# Altium PCB MIRA050CSP.PcbDoc
Units mm, origin at the board's own origin, x right, y up, seen from the top; angles counter-clockwise.
Board outline 38 x 38 mm, 4 copper layers (Top Layer, Layer 2, Layer 3, Bottom Layer), stack 1.186 mm thick; 54 components, 32 nets, 163 pads, 105 vias.
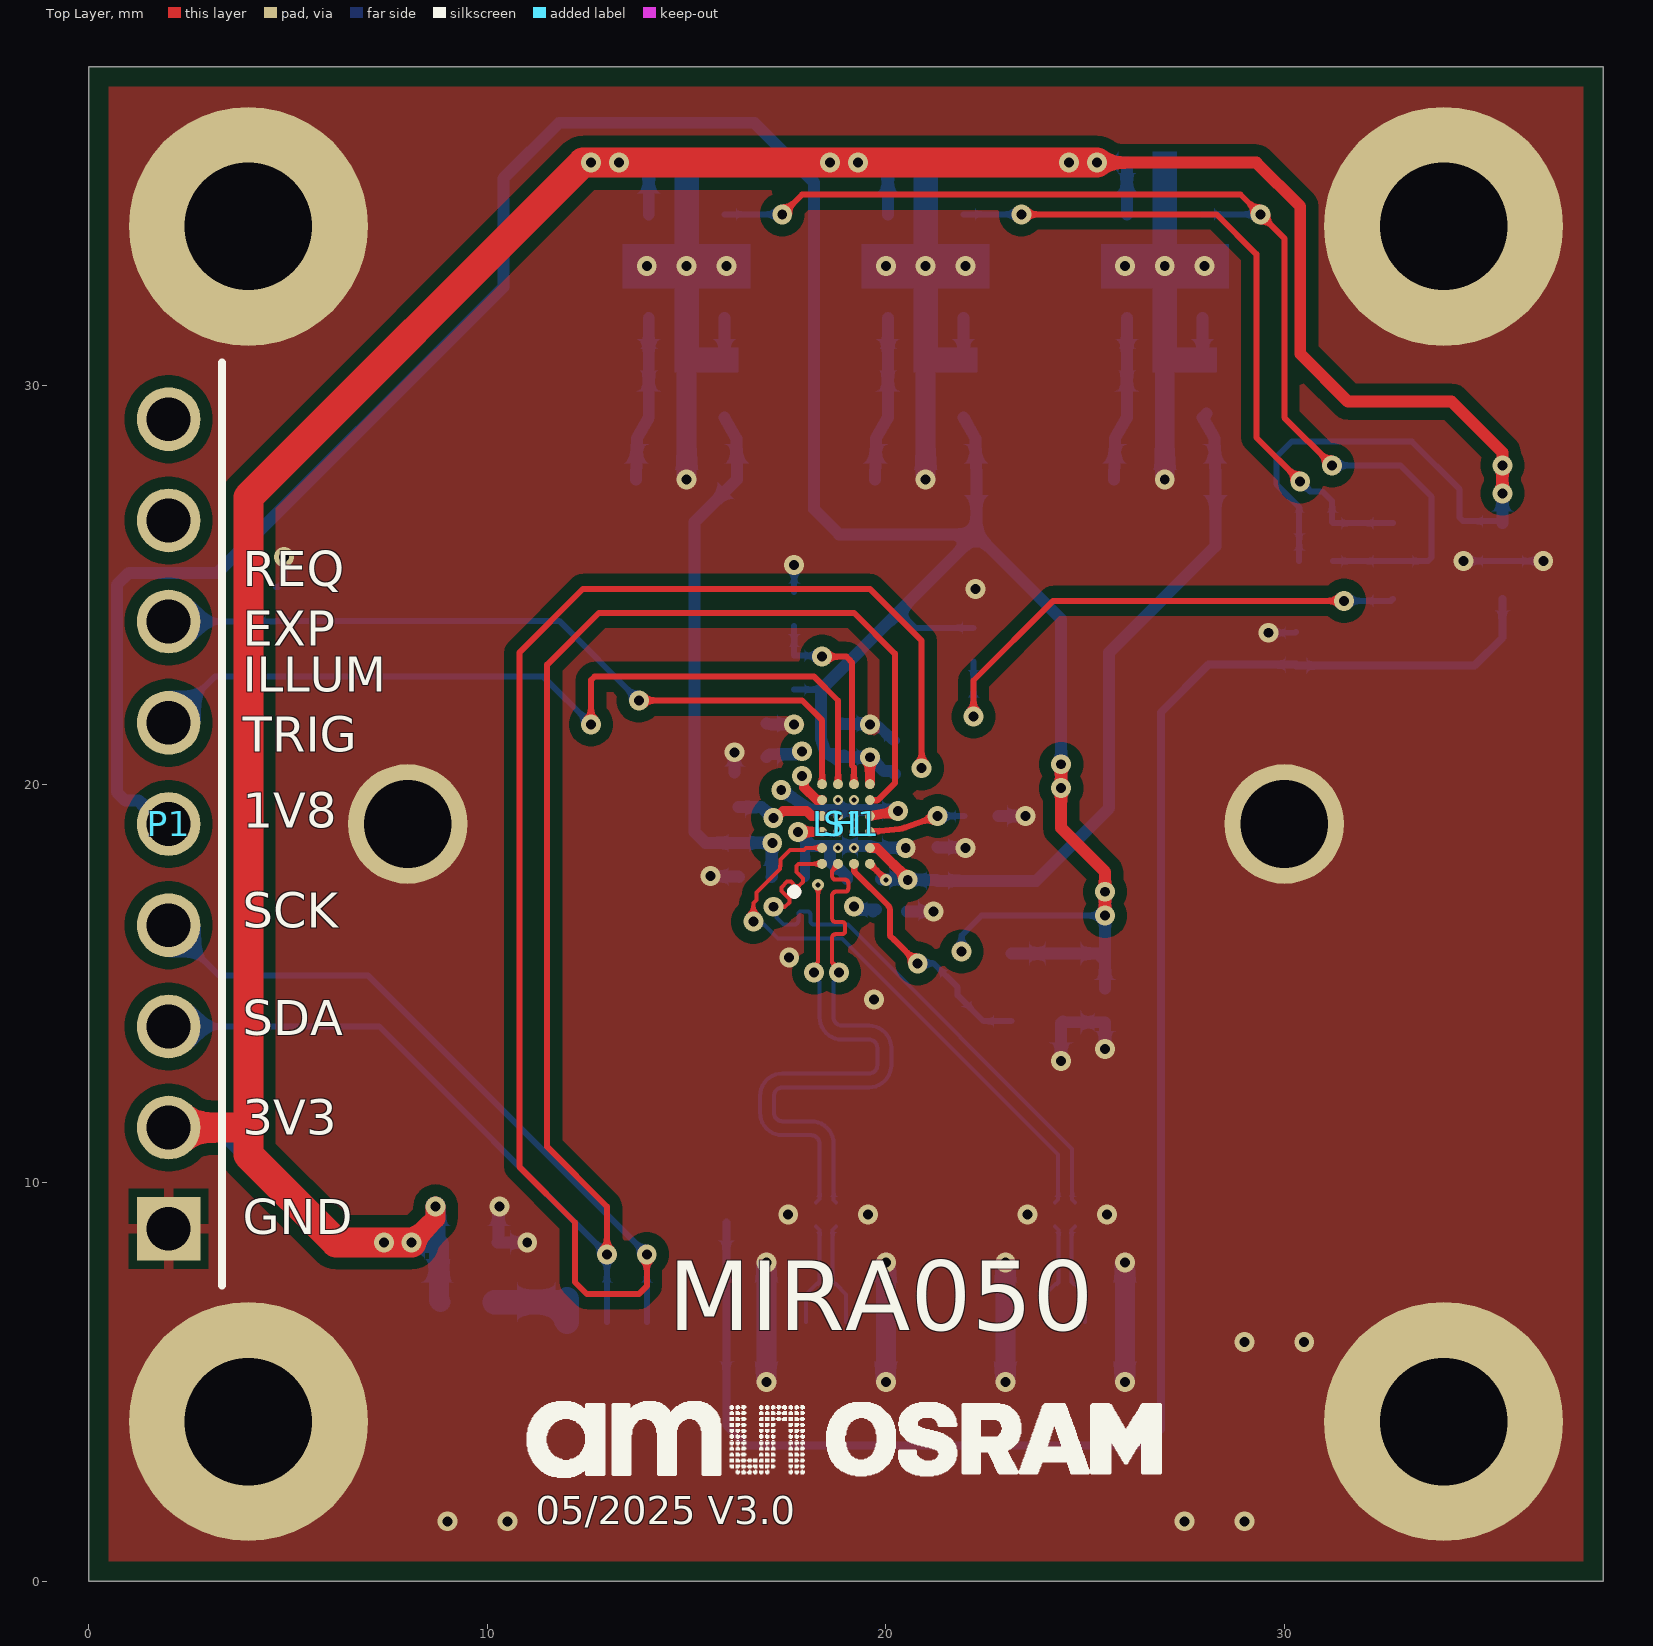
[diagram p0: Top Layer view]
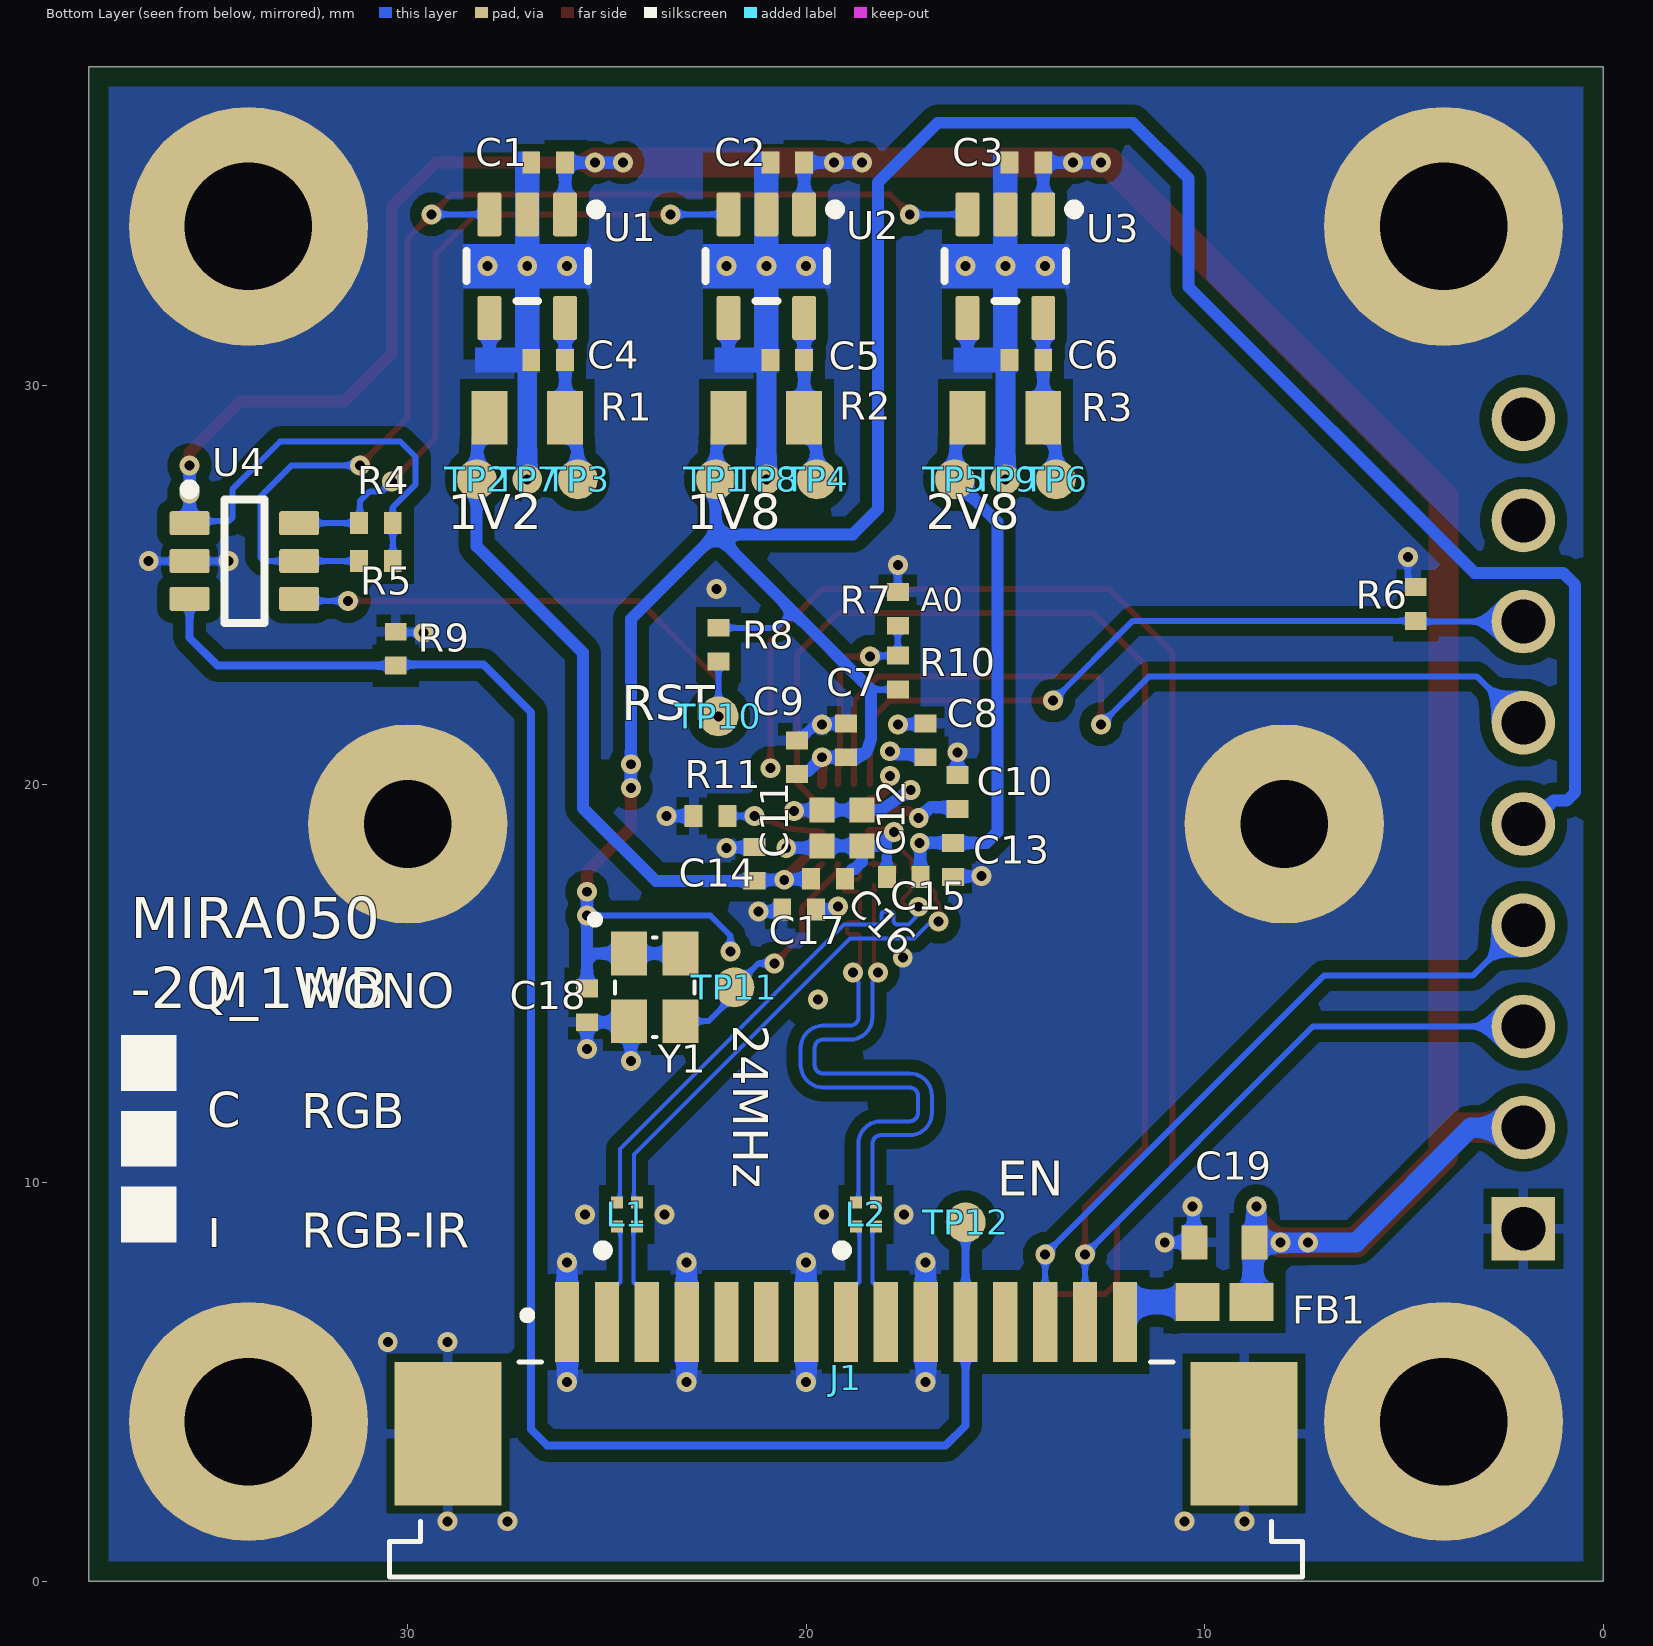
[diagram p1: Bottom Layer view, seen from below]
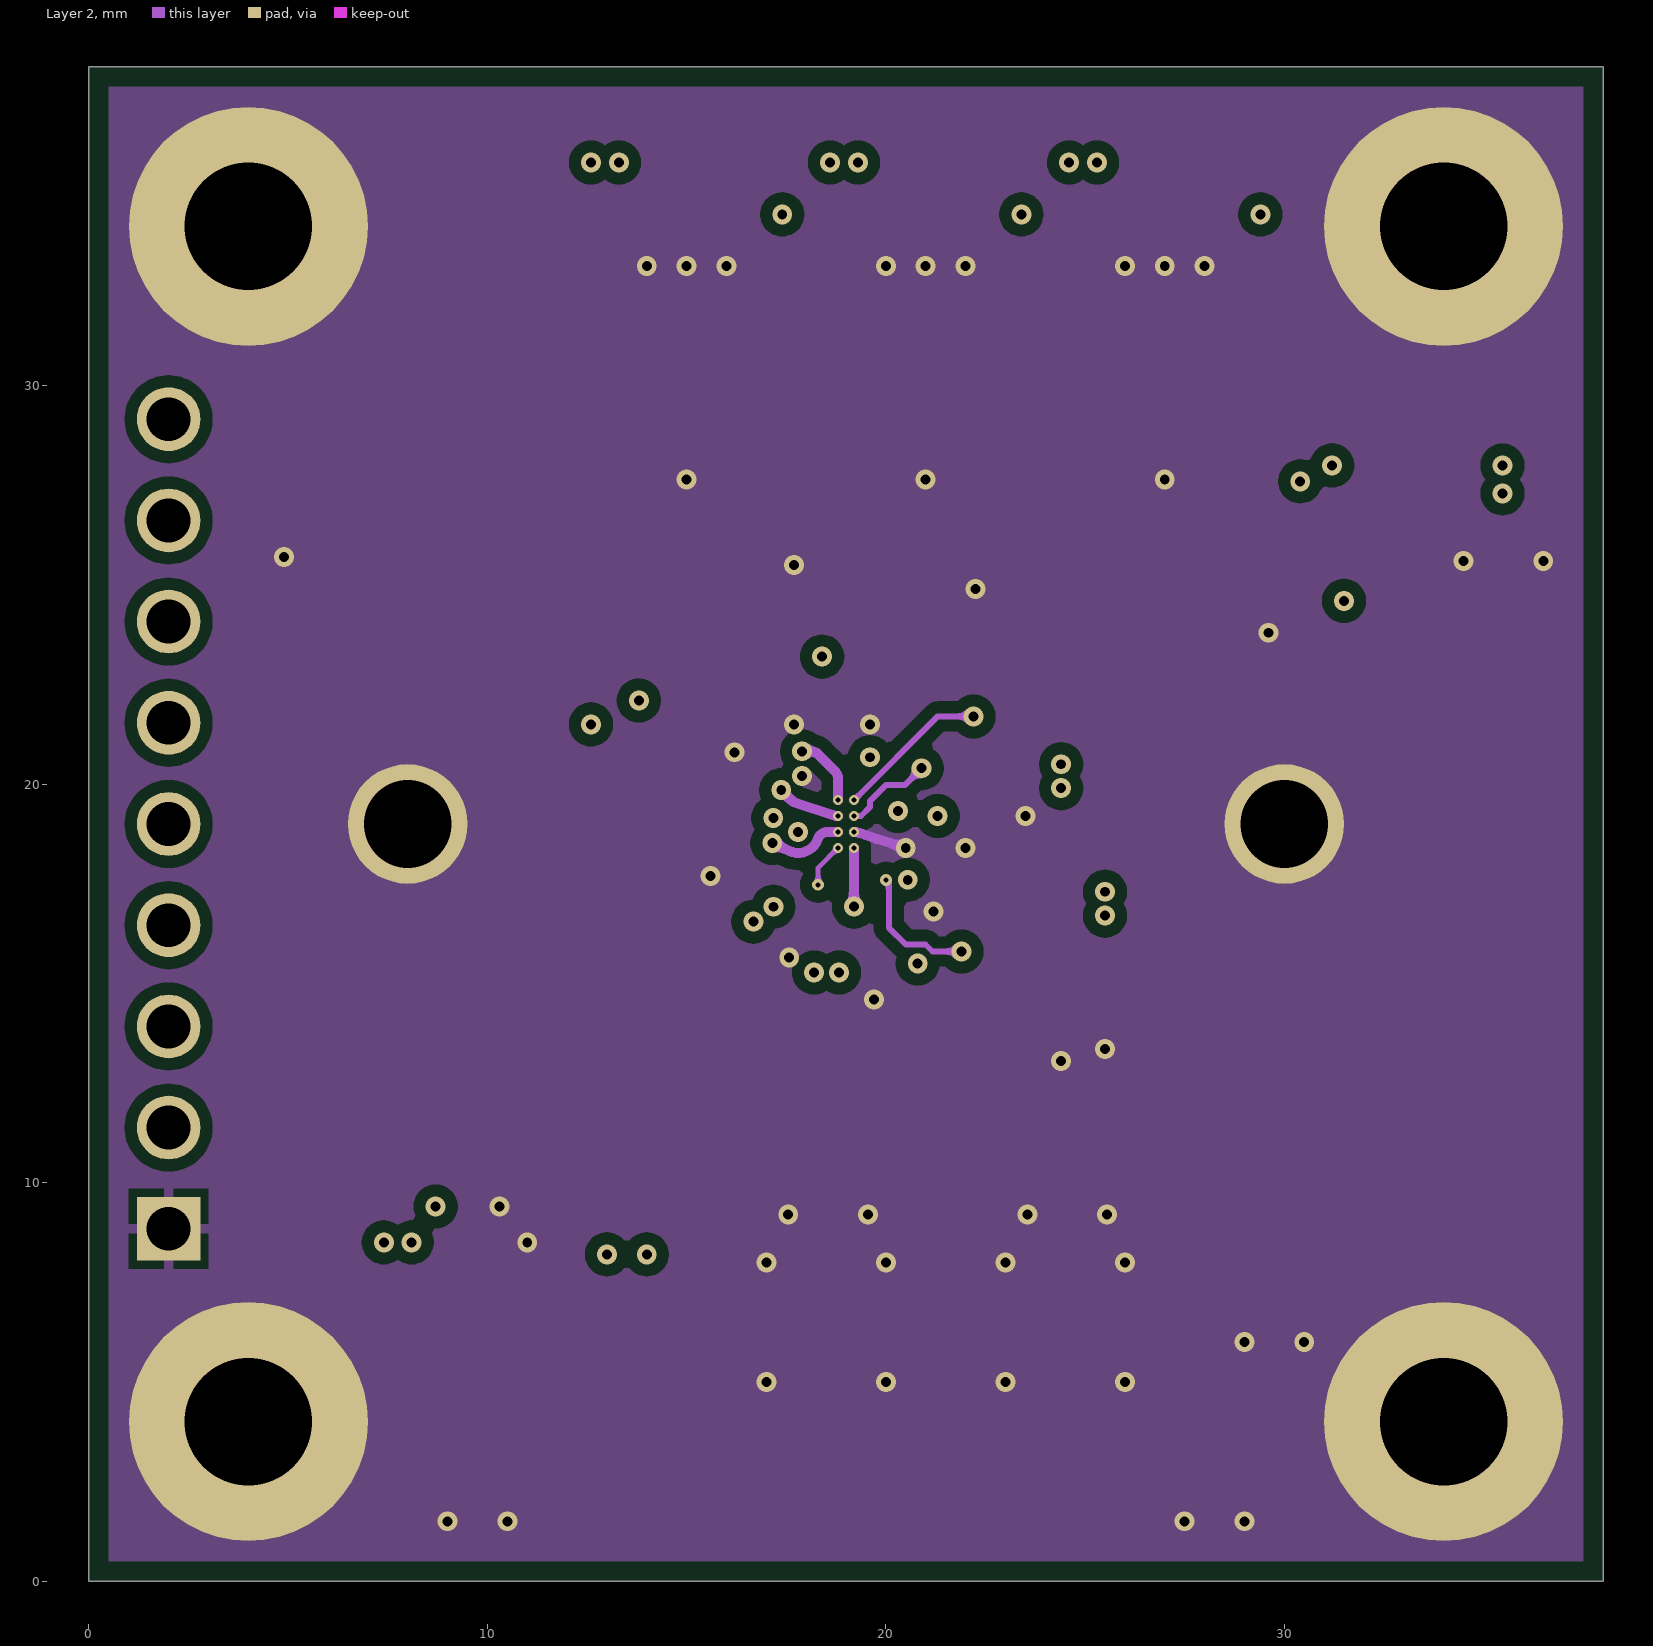
[diagram p2: Layer 2]
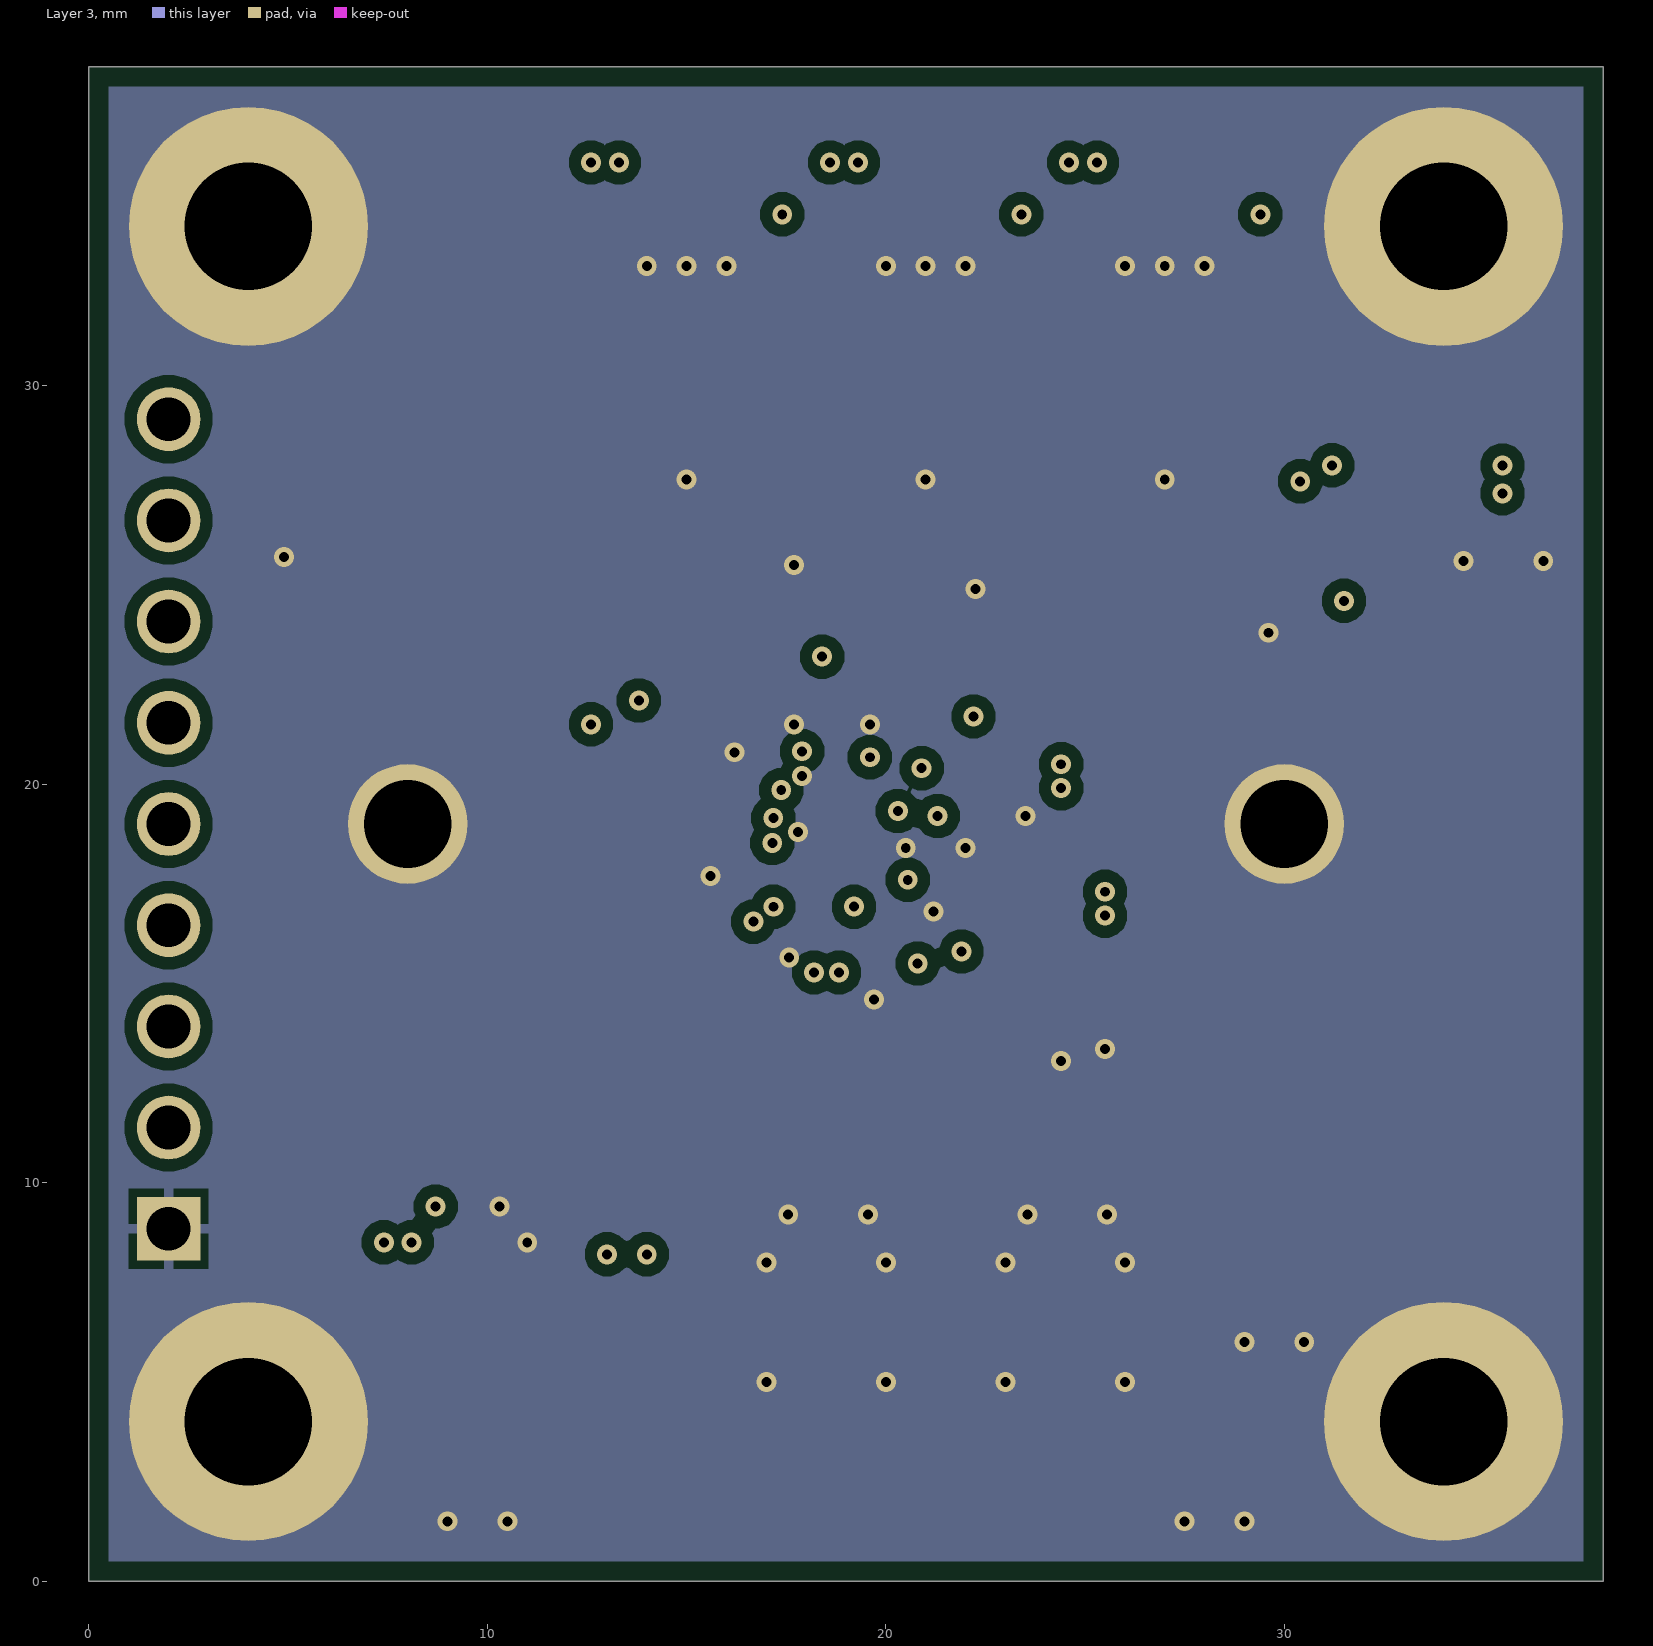
[diagram p3: Layer 3]
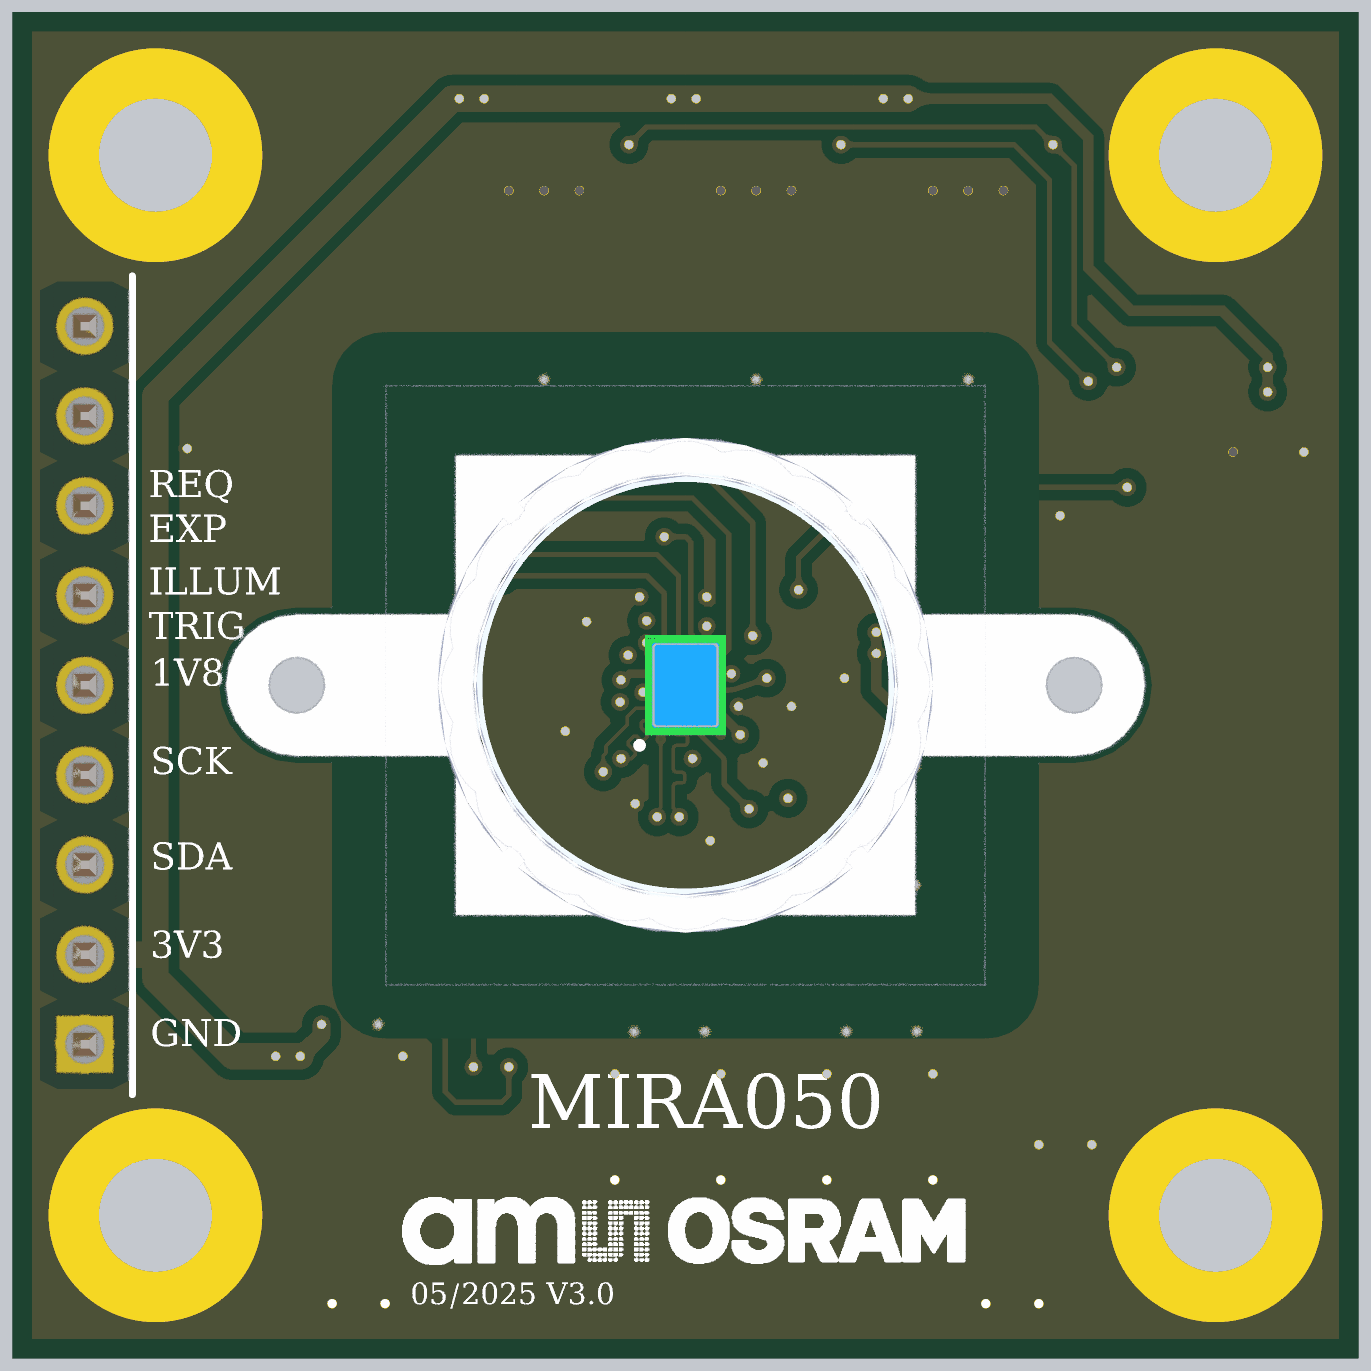
[diagram p4: 3D render of the assembled board from above, using the file's embedded part models]
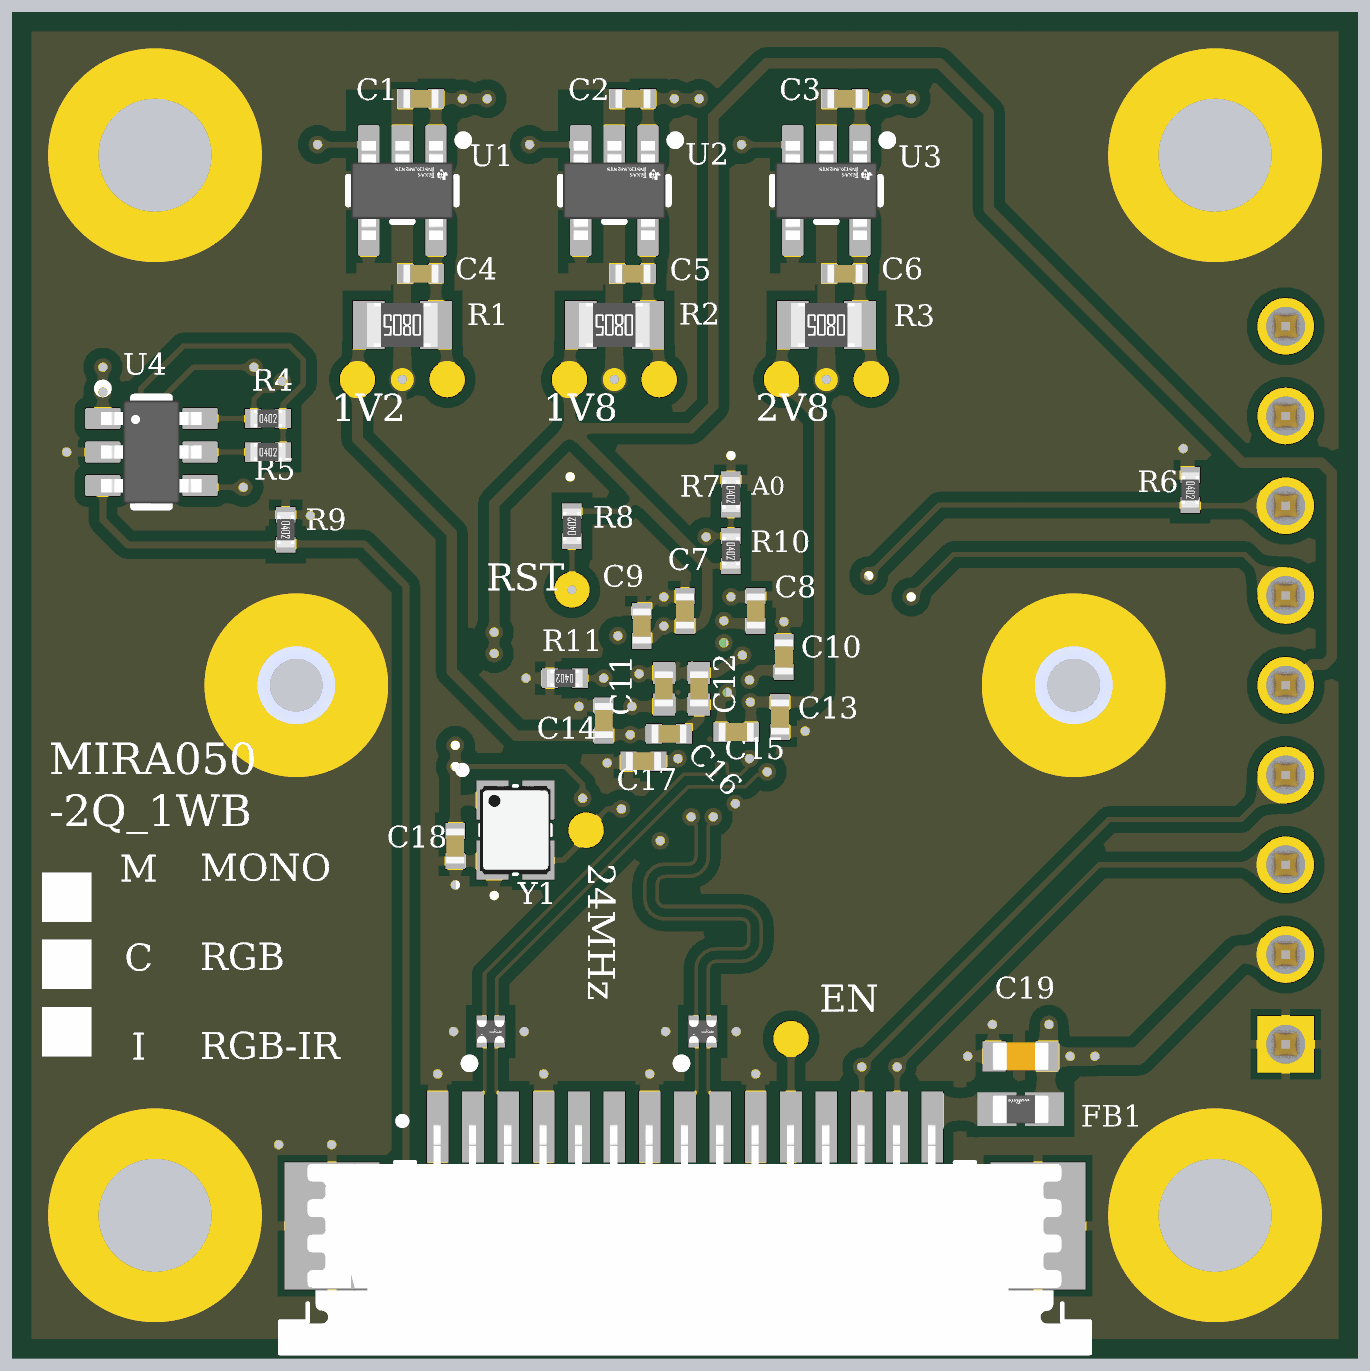
[diagram p5: 3D render of the assembled board from below, using the file's embedded part models]

## Layer stack, top to bottom
Top Solder: solder mask 0.0254, SM-002, Dk 4
Top Layer: signal copper 0.035
Dielectric1: prepreg 0.0787, PP-008, Dk 4.1
Layer 2: signal copper 0.035
Core: core 0.889, Core-041, Dk 4.8
Layer 3: signal copper 0.035
Dielectric2: prepreg 0.0787, PP-008, Dk 4.1
Bottom Layer: signal copper 0.035
Bottom Solder: solder mask 0.0254, SM-002, Dk 4

## Board outline
0,0 0,38 38,38 38,0
